# KiCad board analog_i.kicad_pcb
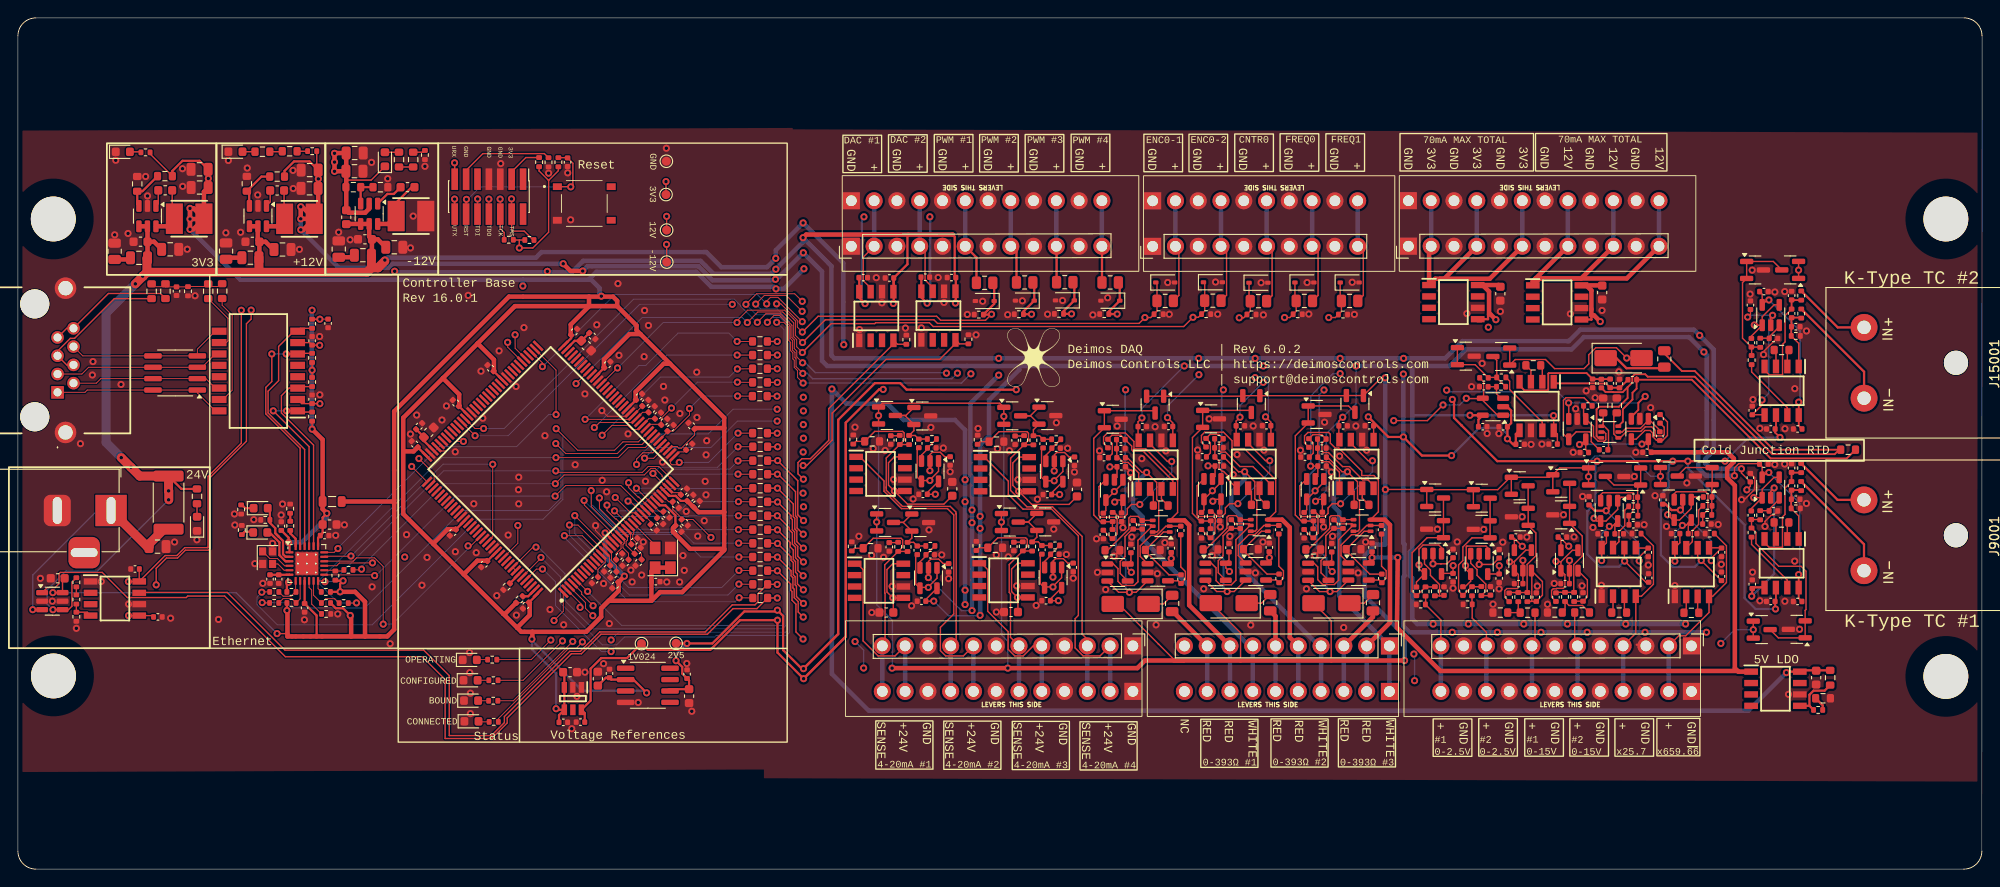
[diagram p0: board, top side]
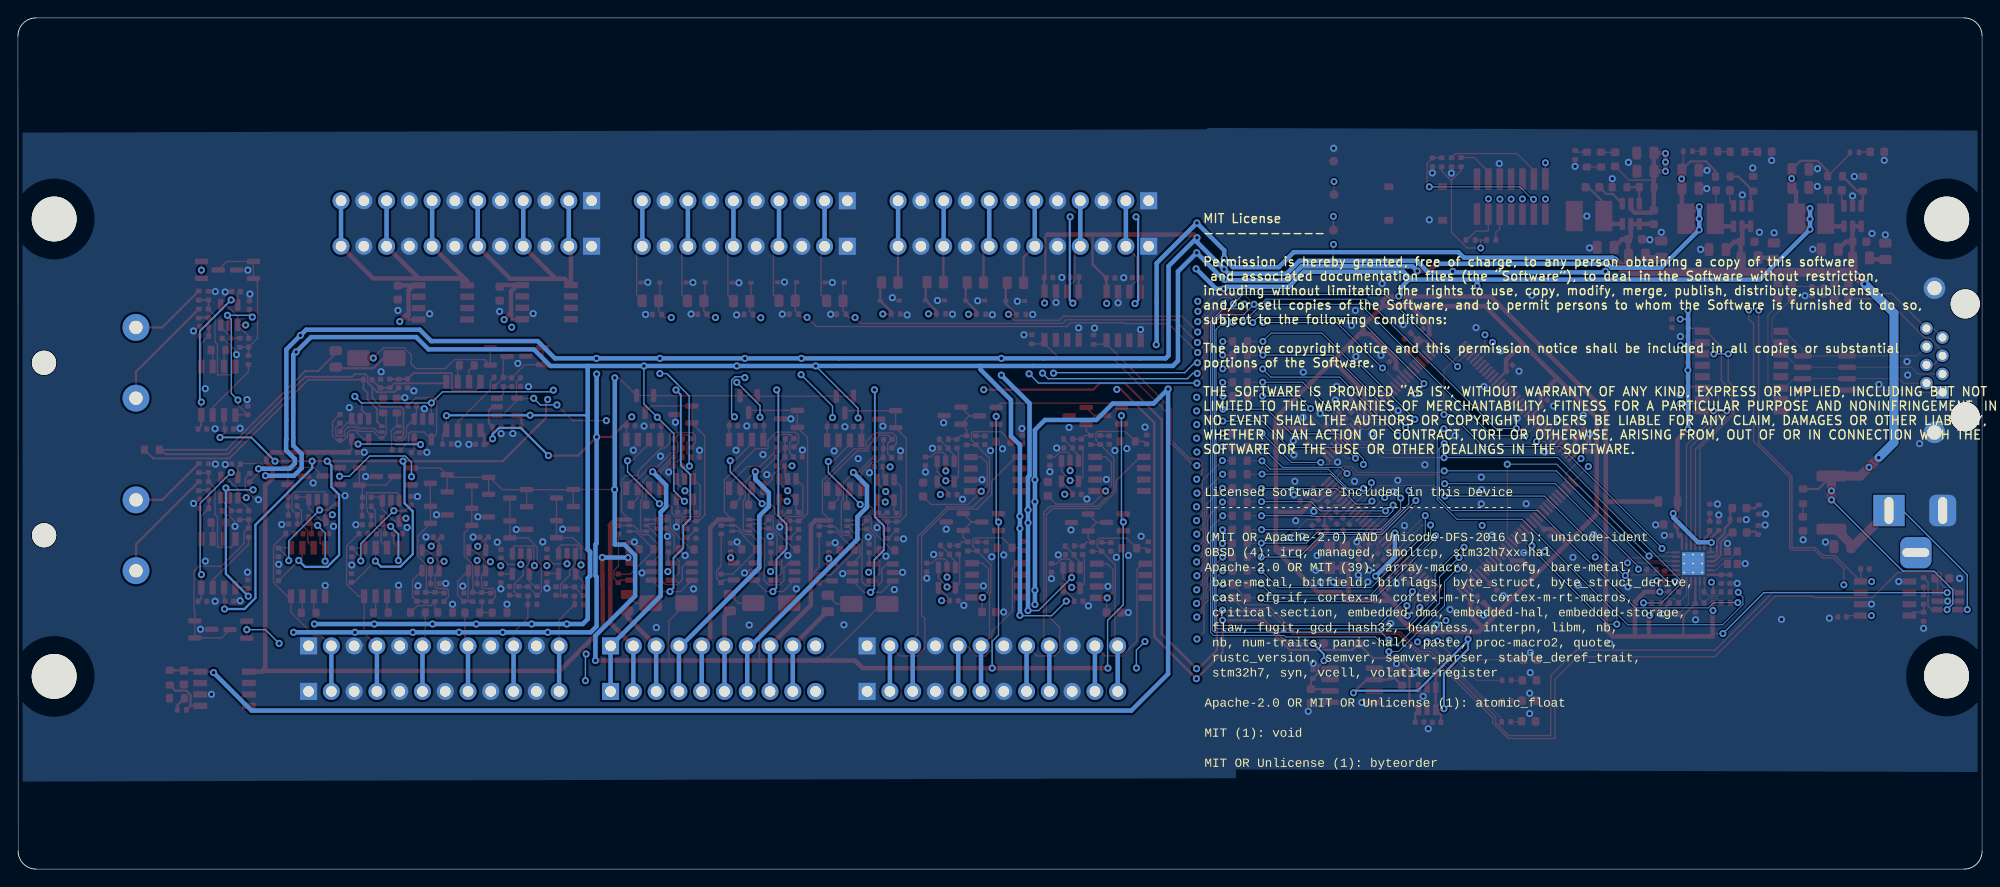
[diagram p1: board, bottom side, seen from below]

Outline 219.03 x 95 mm; copper layers: Top, In1.Cu, In2.Cu, Bottom. Coordinates in mm from the lower left corner of the outline.
Outline path: 217,95 2,95 arc(0.59,94.41) 0,93 0,2 arc(0.59,0.59) 2,0 217,0 arc(218.41,0.59) 219,2 219.03,93 ; 217.02,95 arc(218.43,94.41) 219.02,93
Stack: Top 0.035mm / dielectric 0.1mm FR4 er 4.5 / In1.Cu 0.035mm / dielectric 1.24mm FR4 er 4.5 / In2.Cu 0.035mm / dielectric 0.1mm FR4 er 4.5 / Bottom 0.035mm

## Placement (name value [footprint] x y rotation side)
-1001  logo_minimal_25p4_by_20p3_mm  [logo_minimal_12p7_by_10p9_mm]  113.26 57.09 0 top
C3001  0.1uF 50V 0603  [C_0603_1608Metric]  165.3 64.22 90 top
C3002  0.1uF 50V 0603  [C_0603_1608Metric]  176.66 64.35 90 top
C3003  0.1uF 50V 0603  [C_0603_1608Metric]  200.53 21.37 90 top
C4001  2.2uF  [C_0402_1005Metric]  175.59 54.21 90 top
C4002  1uF  [C_0402_1005Metric]  177.55 54.21 270 top
C4003  2.2uF  [C_0402_1005Metric]  178.59 54.19 90 top
C4004  0.1uF  [C_0402_1005Metric]  171.19 47.44 180 top
C4005  0.1uF  [C_0402_1005Metric]  167.51 47.41 0 top
C4006  10nF  [C_0402_1005Metric]  175.07 51.7 180 top
C4007  0.1uF  [C_0402_1005Metric]  174.67 46.5 180 top
C4008  10nF  [C_0402_1005Metric]  183.09 48.33 90 top
C4010  0.1uF  [C_0402_1005Metric]  181.65 46.52 180 top
C5001  2.2uF  [C_0402_1005Metric]  121.12 45.92 0 top
C5002  1uF  [C_0402_1005Metric]  122.99 47.94 180 top
C5003  2.2uF  [C_0402_1005Metric]  122.99 46.93 0 top
C5004  0.1uF  [C_0402_1005Metric]  125.39 49.39 0 top
C5007  0.1uF  [C_0402_1005Metric]  128.61 35.82 90 top
C5008  0.1uF  [C_0402_1005Metric]  62.73 16.4 180 top
C5009  0.1uF  [C_0402_1005Metric]  60.82 16.38 180 top
C5010  0.1uF  [C_0402_1005Metric]  124.11 35.79 90 top
C5012  10uF  [C_0603_1608Metric]  61.57 21.98 180 top
C6001  1uF 0402  [C_0402_1005Metric]  64.34 32.25 225 top
C6002  1uF 0402  [C_0402_1005Metric]  65.71 33.55 225 top
C6003  1uF 0402  [C_0402_1005Metric]  66.4 32.86 225 top
C6004  1uF 0402  [C_0402_1005Metric]  69.11 35.53 45 top
C6005  1uF 0402  [C_0402_1005Metric]  68.74 36.59 45 top
C6006  1uF 0402  [C_0402_1005Metric]  69.2 34.21 225 top
C6007  1uF 0402  [C_0402_1005Metric]  67.05 34.89 45 top
C6008  1uF 0402  [C_0402_1005Metric]  67.75 34.19 225 top
C6009  1uF 0402  [C_0402_1005Metric]  70.89 38.13 315 top
C6010  1uF 0402  [C_0402_1005Metric]  71.61 38.85 315 top
C6011  1uF 0402  [C_0402_1005Metric]  72.32 39.56 315 top
C6012  1uF 0402  [C_0402_1005Metric]  74.26 42.13 45 top
C6013  1uF 0402  [C_0402_1005Metric]  74.86 47.13 45 top
C6016  1uF 0402  [C_0402_1005Metric]  72.77 49.22 45 top
C6017  1uF 0402  [C_0402_1005Metric]  72.07 49.92 45 top
C6018  1uF 0402  [C_0402_1005Metric]  71.37 50.61 45 top
C6019  1uF 0402  [C_0402_1005Metric]  70.66 51.32 45 top
C6020  1uF 0402  [C_0402_1005Metric]  69.96 52.02 45 top
C6021  0.1uF  [C_0402_1005Metric]  66.61 31.68 45 top
C6022  0.1uF  [C_0402_1005Metric]  73.66 37.98 135 top
C6023  10nF  [C_0402_1005Metric]  73.35 40.66 135 top
C6024  0.1uF  [C_0402_1005Metric]  74.36 38.68 135 top
C6025  10nF  [C_0402_1005Metric]  74.97 41.43 225 top
C6026  0.1uF  [C_0402_1005Metric]  75.69 40.74 225 top
C6027  0.1uF  [C_0402_1005Metric]  61.29 78.89 90 top
C6028  0.1uF  [C_0402_1005Metric]  56.64 29.41 45 top
C6029  0.1uF  [C_0402_1005Metric]  75.11 49.47 315 top
C6030  0.1uF  [C_0402_1005Metric]  51.99 34.04 45 top
C6031  0.1uF  [C_0402_1005Metric]  69.26 52.71 225 top
C6032  0.1uF  [C_0402_1005Metric]  48.49 37.56 45 top
C6033  0.1uF  [C_0402_1005Metric]  65.73 56.3 225 top
C6034  0.1uF  [C_0402_1005Metric]  64.05 59.5 135 top
C6035  10uF  [C_0603_1608Metric]  63.37 58.42 135 top
C6036  0.1uF  [C_0402_1005Metric]  44.24 47.43 315 top
C6037  0.1uF  [C_0402_1005Metric]  62.03 59.95 225 top
C6038  0.1uF  [C_0402_1005Metric]  48.82 52.02 315 top
C6039  0.1uF  [C_0402_1005Metric]  52.7 55.91 315 top
C6040  10uF  [C_0603_1608Metric]  45.81 48.74 45 top
C6041  0.1uF  [C_0402_1005Metric]  44.74 49.43 225 top
C6043  0.1uF  [C_0402_1005Metric]  71.12 32.08 180 top
C6048  0.1uF  [C_0402_1005Metric]  65.97 21.83 270 top
C6049  10uF  [C_0603_1608Metric]  64.67 21.25 270 top
C6050  0.1uF  [C_0402_1005Metric]  74.62 21.76 270 top
C6051  10uF  [C_0603_1608Metric]  74.84 19.3 90 top
C7003  470pF 0402  [C_0402_1005Metric]  29.08 32.37 90 top
C7004  1uF 0402  [C_0402_1005Metric]  28.11 32.37 90 top
C7005  0.1uF  [C_0402_1005Metric]  31.97 29.16 90 top
C7006  0.1uF  [C_0402_1005Metric]  29.37 38.28 270 top
C7007  0.1uF  [C_0402_1005Metric]  34.59 60.91 90 top
C7008  0.1uF  [C_0402_1005Metric]  34.2 37.23 180 top
C7009  10uF  [C_0603_1608Metric]  34.75 38.46 180 top
C7010  0.1uF  [C_0402_1005Metric]  32.8 52.43 270 top
C7011  0.1uF  [C_0402_1005Metric]  32.8 58.96 270 top
C7012  4.7nF  [C_0402_1005Metric]  17.68 64.5 270 top
C8001  0.1uF 0603  [C_0603_1608Metric]  4.43 32.45 180 top
C8002  0.1uF  [C_0402_1005Metric]  15.61 28.14 180 top
C8003  10uF 50V 0805  [C_0805_2012Metric]  15.57 35.99 0 top
C8005  0.1uF  [C_0402_1005Metric]  13.06 33.49 0 top
C9001  2.2uF  [C_0402_1005Metric]  197.78 44.76 90 top
C9002  1uF  [C_0402_1005Metric]  197.78 42.77 270 top
C9003  2.2uF  [C_0402_1005Metric]  198.24 41.28 0 top
C9004  0.1uF  [C_0402_1005Metric]  198.46 29.87 180 top
C9005  0.1uF  [C_0402_1005Metric]  128.3 49.4 180 top
C9006  0.1uF  [C_0402_1005Metric]  195.46 29.87 0 top
C9007  10nF  [C_0402_1005Metric]  129.67 37.79 90 top
C9008  10nF  [C_0402_1005Metric]  124.37 38.43 90 top
C10001  0.1uF 50V 0603  [C_0603_1608Metric]  16.43 75.76 180 top
C10002  10uF 50V 0805  [C_0805_2012Metric]  16.98 69.17 0 top
C10003  10uF 50V 0805  [C_0805_2012Metric]  20.26 76.07 180 top
C10004  10uF 50V 0805  [C_0805_2012Metric]  13.5 68.22 180 top
C10005  0.1uF 50V 0603  [C_0603_1608Metric]  13.67 70.02 180 top
C10006  2.2uF 50V 0805  [C_0805_2012Metric]  20.25 78.1 180 top
C11001  10nF  [C_0402_1005Metric]  97.16 35.96 270 top
C11002  0.1uF 50V 0603  [C_0603_1608Metric]  26.14 70.02 180 top
C11003  10uF 50V 0805  [C_0805_2012Metric]  25.93 68.24 180 top
C11004  10uF 50V 0805  [C_0805_2012Metric]  29.51 69.15 0 top
C11005  0.1uF 50V 0603  [C_0603_1608Metric]  28.9 75.74 180 top
C11006  2.2uF 50V 0805  [C_0805_2012Metric]  32.52 75.98 180 top
C11007  10uF 50V 0805  [C_0805_2012Metric]  32.53 78.02 180 top
C13001  2.2uF  [C_0402_1005Metric]  132.06 46.01 0 top
C13002  1uF  [C_0402_1005Metric]  133.93 48.03 180 top
C13003  2.2uF  [C_0402_1005Metric]  133.93 47.02 0 top
C13004  0.1uF  [C_0402_1005Metric]  136.32 49.48 0 top
C13007  0.1uF  [C_0402_1005Metric]  139.54 35.9 90 top
C13010  0.1uF  [C_0402_1005Metric]  135.05 35.88 90 top
C14001  10nF  [C_0402_1005Metric]  97.33 47.89 270 top
C14002  0.1uF 50V 0603  [C_0603_1608Metric]  38.7 70.29 180 top
C14003  10uF 50V 0805  [C_0805_2012Metric]  38.47 68.51 180 top
C14004  10uF 50V 0805  [C_0805_2012Metric]  41.97 69.4 0 top
C14005  0.1uF 50V 0603  [C_0603_1608Metric]  36.61 72.76 270 top
C14006  0.1uF 50V 0603  [C_0603_1608Metric]  43.45 76.11 0 top
C14007  2.2uF 50V 0805  [C_0805_2012Metric]  37.55 79.92 0 top
C14008  10uF 50V 0805  [C_0805_2012Metric]  37.53 77.89 0 top
C15001  2.2uF  [C_0402_1005Metric]  197.79 64.01 90 top
C15002  1uF  [C_0402_1005Metric]  197.79 62.02 270 top
C15003  2.2uF  [C_0402_1005Metric]  198.25 60.53 0 top
C15004  0.1uF  [C_0402_1005Metric]  198.47 49.12 180 top
C15005  10nF C0G 5%  [C_0402_1005Metric]  163.46 53.84 0 top
C15006  0.1uF  [C_0402_1005Metric]  195.47 49.12 0 top
C15007  10nF C0G 5%  [C_0402_1005Metric]  163.48 54.83 180 top
C15008  0.1uF  [C_0402_1005Metric]  163.34 49.37 180 top
C15009  0.1uF  [C_0402_1005Metric]  165.61 49.36 0 top
C16001  0.1uF  [C_0402_1005Metric]  193.4 51.19 270 top
C17001  2.2uF  [C_0402_1005Metric]  143.53 45.98 0 top
C17002  1uF  [C_0402_1005Metric]  145.4 48 180 top
C17003  2.2uF  [C_0402_1005Metric]  145.4 46.99 0 top
C17004  0.1uF  [C_0402_1005Metric]  147.78 49.47 0 top
C17005  10nF C0G 5%  [C_0402_1005Metric]  195.76 39.97 180 top
C17006  10nF C0G 5%  [C_0402_1005Metric]  193.29 39.49 90 top
C17007  0.1uF  [C_0402_1005Metric]  151 35.9 90 top
C17008  0.1uF  [C_0402_1005Metric]  194.69 45.2 180 top
C17009  0.1uF  [C_0402_1005Metric]  193.2 62.94 270 top
C17010  0.1uF  [C_0402_1005Metric]  146.5 35.87 90 top
C18001  10nF  [C_0402_1005Metric]  111.06 36.01 270 top
C18002  0.1uF  [C_0402_1005Metric]  193.4 31.8 270 top
C19001  10nF C0G 5%  [C_0402_1005Metric]  195.77 59.23 180 top
C19002  10nF C0G 5%  [C_0402_1005Metric]  193.3 58.75 90 top
C19003  0.1uF  [C_0402_1005Metric]  194.7 64.45 180 top
C19004  0.1uF  [C_0402_1005Metric]  193.19 43.69 270 top
C21001  10nF C0G 5%  [C_0402_1005Metric]  121.04 37.34 90 top
C21002  10nF C0G 5%  [C_0402_1005Metric]  121.04 39.25 90 top
C21003  0.1uF  [C_0402_1005Metric]  123.07 39.27 90 top
C21004  0.1uF  [C_0402_1005Metric]  123.04 44.9 180 top
C22001  10nF  [C_0402_1005Metric]  111.2 47.86 270 top
C23001  0.1uF  [C_0402_1005Metric]  139.23 49.49 180 top
C23002  10nF  [C_0402_1005Metric]  140.6 37.88 90 top
C23003  10nF  [C_0402_1005Metric]  135.3 38.52 90 top
C24001  0.1uF  [C_0402_1005Metric]  134 39.36 90 top
C24002  10nF C0G 5%  [C_0402_1005Metric]  131.98 37.43 90 top
C24003  10nF C0G 5%  [C_0402_1005Metric]  131.97 39.33 90 top
C24004  0.1uF  [C_0402_1005Metric]  133.97 44.99 180 top
C26001  0.1uF  [C_0402_1005Metric]  150.69 49.48 180 top
C26002  10nF  [C_0402_1005Metric]  152.06 37.87 90 top
C26003  10nF  [C_0402_1005Metric]  146.76 38.51 90 top
C27001  10nF C0G 5%  [C_0402_1005Metric]  143.43 37.42 90 top
C27002  10nF C0G 5%  [C_0402_1005Metric]  143.43 39.33 90 top
C27003  0.1uF  [C_0402_1005Metric]  145.46 39.35 90 top
C27004  0.1uF  [C_0402_1005Metric]  145.43 44.98 180 top
C28001  0.1uF 50V 0603  [C_0603_1608Metric]  118.1 42.37 270 top
C29001  10nF C0G 5%  [C_0402_1005Metric]  115.77 46.98 180 top
C29002  10nF C0G 5%  [C_0402_1005Metric]  114.32 47.48 270 top
C29003  0.1uF  [C_0402_1005Metric]  114.79 41.8 0 top
C29004  0.1uF  [C_0402_1005Metric]  117.82 45.52 90 top
C30001  0.1uF 50V 0603  [C_0603_1608Metric]  110.74 28.69 0 top
C31001  10nF C0G 5%  [C_0402_1005Metric]  115.63 35.13 180 top
C31002  10nF C0G 5%  [C_0402_1005Metric]  114.18 35.63 270 top
C31003  0.1uF  [C_0402_1005Metric]  114.65 29.95 0 top
C31004  0.1uF  [C_0402_1005Metric]  117.68 33.67 90 top
C32001  0.1uF 50V 0603  [C_0603_1608Metric]  104.19 42.44 270 top
C33001  10nF C0G 5%  [C_0402_1005Metric]  101.91 47.01 180 top
C33002  10nF C0G 5%  [C_0402_1005Metric]  100.46 47.51 270 top
C33003  0.1uF  [C_0402_1005Metric]  100.93 41.83 0 top
C33004  0.1uF  [C_0402_1005Metric]  103.95 45.55 90 top
C34001  0.1uF 50V 0603  [C_0603_1608Metric]  96.84 28.64 0 top
C35001  10nF C0G 5%  [C_0402_1005Metric]  101.74 35.08 180 top
C35002  10nF C0G 5%  [C_0402_1005Metric]  100.29 35.58 270 top
C35003  0.1uF  [C_0402_1005Metric]  100.76 29.9 0 top
C35004  0.1uF  [C_0402_1005Metric]  103.78 33.62 90 top
C36001  0.1uF  [C_0402_1005Metric]  184.85 37.44 0 top
C36002  0.1uF  [C_0402_1005Metric]  189.97 35.35 90 top
C36003  0.1uF  [C_0402_1005Metric]  189.96 32.67 270 top
C37001  10nF C0G 5%  [C_0402_1005Metric]  188.35 38.51 180 top
C37002  10nF C0G 5%  [C_0402_1005Metric]  188.42 41.53 180 top
C37003  0.1uF  [C_0402_1005Metric]  186.75 37.44 180 top
C37004  0.1uF  [C_0402_1005Metric]  183.43 41.21 270 top
C38001  0.1uF  [C_0402_1005Metric]  176.66 37.42 0 top
C38002  0.1uF  [C_0402_1005Metric]  181.8 35.35 90 top
C38003  0.1uF  [C_0402_1005Metric]  181.84 32.5 270 top
C39001  10nF C0G 5%  [C_0402_1005Metric]  180.13 38.43 180 top
C39002  10nF C0G 5%  [C_0402_1005Metric]  180.13 41.51 180 top
C39003  0.1uF  [C_0402_1005Metric]  178.56 37.42 180 top
C39004  0.1uF  [C_0402_1005Metric]  175.2 41.12 270 top
C41001  10nF C0G 5%  [C_0402_1005Metric]  174.53 30.38 270 top
C41002  10nF C0G 5%  [C_0402_1005Metric]  171.5 30.35 270 top
C41003  0.1uF  [C_0402_1005Metric]  172.23 37.06 180 top
C41004  0.1uF  [C_0402_1005Metric]  172.53 31.86 0 top
C43001  10nF C0G 5%  [C_0402_1005Metric]  169.31 30.36 270 top
C43002  10nF C0G 5%  [C_0402_1005Metric]  166.29 30.33 270 top
C43003  0.1uF  [C_0402_1005Metric]  167.03 37.06 180 top
C43004  0.1uF  [C_0402_1005Metric]  167.34 31.86 0 top
C45001  10nF C0G 5%  [C_0402_1005Metric]  164.21 31.06 270 top
C45002  10nF C0G 5%  [C_0402_1005Metric]  161.13 31.03 90 top
C45003  0.1uF  [C_0402_1005Metric]  165.18 32.46 90 top
C45004  0.1uF  [C_0402_1005Metric]  165.17 35.2 270 top
C47001  10nF C0G 5%  [C_0402_1005Metric]  159.02 31.03 270 top
C47002  10nF C0G 5%  [C_0402_1005Metric]  155.95 31 90 top
C47003  0.1uF  [C_0402_1005Metric]  160.03 32.52 90 top
C47004  0.1uF  [C_0402_1005Metric]  160.03 35.23 270 top
C53001  0.1uF  [C_0402_1005Metric]  94.26 66.02 180 top
C53002  0.1uF  [C_0402_1005Metric]  97.18 65.98 0 top
C54001  0.1uF  [C_0402_1005Metric]  101.18 66.06 180 top
C54002  0.1uF  [C_0402_1005Metric]  104.1 66.02 0 top
D4001  D_Schottky  [D_SMA]  179.05 57.03 0 top
D5001  D_Schottky  [D_SMA]  124.08 29.6 180 top
D6001  Purple LED  [LED_0603_1608Metric]  50.57 16.49 0 top
D6002  Purple LED  [LED_0603_1608Metric]  50.53 18.8 0 top
D6003  Purple LED  [LED_0603_1608Metric]  50.47 21.07 0 top
D6004  Purple LED  [LED_0603_1608Metric]  50.38 23.35 0 top
D7001  Purple LED  [LED_0603_1608Metric]  27.06 40.28 0 top
D7002  Purple LED  [LED_0603_1608Metric]  27.02 37.57 0 top
D7003  CDNBS08-SLVU2.8-4  [SOIC-8_3.9x4.9mm_P1.27mm]  17.53 55.37 180 top
D12001  Purple LED  [LED_0603_1608Metric]  19.98 38.53 90 top
D12002  Purple LED  [LED_0603_1608Metric]  40.92 79.22 90 top
D12003  Purple LED  [LED_0603_1608Metric]  24.25 80.07 0 top
D12004  Purple LED  [LED_0603_1608Metric]  11.7 80.05 0 top
D13001  D_Schottky  [D_SMA]  135.02 29.68 180 top
D17001  D_Schottky  [D_SMA]  146.48 29.68 180 top
D48001  BZT52C5V6S  [D_SOD-323]  127.93 65.47 0 top
D49001  BZT52C5V6S  [D_SOD-323]  133.25 65.5 0 top
D50001  BZT52C5V6S  [D_SOD-323]  138.33 65.44 0 top
D51001  BZT52C5V6S  [D_SOD-323]  143.45 65.47 0 top
D52001  BZT52C5V6S  [D_SOD-323]  148.5 65.47 0 top
D55001  BZT52C5V6S  [D_SOD-323]  107.82 63.4 180 top
D56001  BZT52C5V6S  [D_SOD-323]  112.28 63.45 180 top
D57001  BZT52C5V6S  [D_SOD-323]  116.75 63.47 180 top
D58001  BZT52C5V6S  [D_SOD-323]  121.82 63.44 180 top
FB7001  GZ2012D601TF  [L_0805_2012Metric]  35.04 41.02 180 top
H2001  MountingHole_for_10-32  [MountingHole_5mm]  3.94 72.56 180 top
H2002  MountingHole_for_10-32  [MountingHole_5mm]  3.97 21.56 180 top
H3001  MountingHole_for_10-32  [MountingHole_5mm]  214.99 21.5 180 top
H3002  MountingHole_for_10-32  [MountingHole_5mm]  214.99 72.56 180 top
IC3001  BD42540FJ-CE2  [SOIC127P600X175-8N]  160.07 63.28 0 top
IC3002  BD42540FJ-CE2  [SOIC127P600X175-8N]  195.99 20.13 0 top
IC3003  BD42540FJ-CE2  [SOIC127P600X175-8N]  171.64 63.24 0 top
IC4001  INA826AIDR  [SOIC127P600X175-8N]  169.35 51.68 270 top
IC4002  TLV333IDBVR  [SOT-23-5]  173.88 49.1 270 top
IC4003  TLV333IDBVR  [SOT-23-5]  180.86 49.12 270 top
IC5001  INA826AIDR  [SOIC127P600X175-8N]  126.88 45.14 90 top
IC5002  TLV333IDBVR  [SOT-23-5]  127.11 33.13 0 top
IC5003  TLV333IDBVR  [SOT-23-5]  122.62 33.1 0 top
IC5004  REF35102QDBVR  [SOT95P280X145-6N]  61.88 19.03 270 top
IC6001  STM32H743ZIT6  [QFP50P2200X2200X160-144N]  59.41 44.62 135 top
IC8001  INA826AIDR  [SOIC127P600X175-8N]  10.81 30.2 0 top
IC9001  INA826AIDR  [SOIC127P600X175-8N]  196.67 34.13 270 top
IC10001  TPS560430XDBVR  [SOT-23-6]  14.44 72.88 270 top
IC11001  TPS560430XDBVR  [SOT-23-6]  26.76 72.89 270 top
IC13001  INA826AIDR  [SOIC127P600X175-8N]  137.82 45.22 90 top
IC13002  TLV333IDBVR  [SOT-23-5]  138.04 33.21 0 top
IC13003  TLV333IDBVR  [SOT-23-5]  133.55 33.19 0 top
IC14001  TPS560430XDBVR  [SOT-23-6]  39.17 73.14 270 top
IC15001  INA826AIDR  [SOIC127P600X175-8N]  196.68 53.38 270 top
IC17001  INA826AIDR  [SOIC127P600X175-8N]  149.27 45.22 90 top
IC17002  TLV333IDBVR  [SOT-23-5]  149.5 33.21 0 top
IC17003  TLV333IDBVR  [SOT-23-5]  145.01 33.18 0 top
IC17004  BD42540FJ-CE2  [SOIC127P600X175-8N]  96.02 32.18 0 top
IC20001  BD42540FJ-CE2  [SOIC127P600X175-8N]  96.19 44.1 0 top
IC24001  BD42540FJ-CE2  [SOIC127P600X175-8N]  109.91 32.23 0 top
IC28001  BD42540FJ-CE2  [SOIC127P600X175-8N]  110.05 44.08 0 top
IC36001  INA826AIDR  [SOIC127P600X175-8N]  186.67 33.15 90 top
IC38001  INA826AIDR  [SOIC127P600X175-8N]  178.51 33.17 90 top
IC53001  INA826AIDR  [SOIC127P600X175-8N]  95.72 61.73 90 top
IC54001  INA826AIDR  [SOIC127P600X175-8N]  102.64 61.78 90 top
J3001  Screw_Terminal_01x12  [KF141V-2.54-12P]  155.06 69.52 90 top
J3002  Screw_Terminal_01x10  [KF141V-2.54-10P]  152.94 24.91 270 top
J3003  Screw_Terminal_01x12  [KF141V-2.54-12P]  124.33 24.91 270 top
J3004  Screw_Terminal_01x12  [KF141V-2.54-12P]  186.62 24.91 270 top
J3005  Screw_Terminal_01x10  [KF141V-2.54-10P]  126.54 69.51 90 top
J3006  Screw_Terminal_01x12  [KF141V-2.54-12P]  92.94 69.52 90 top
J6001  Conn_02x07_Odd_Even  [PinHeader_2x07_P1.27mm_Vertical_SMD]  52.52 75.05 270 top
J8001  Barrel_Jack PJ-202BH  [BarrelJack_Horizontal]  10.39 40.02 0 top
J9001  -  [AM-K-PCB]  220.11 37.26 270 top
J13001  RCH_RC01133  [RCHRC01133]  4.42 53.21 90 top
J15001  -  [AM-K-PCB]  220.12 56.51 270 top
L10001  12uH FNR4030S120MT  [INDPM4040X300N]  19.09 72.59 180 top
L11001  33uH  FNR4020S330MT  [INDPM4040X300N]  31.39 72.58 180 top
L14001  33uH  FNR4020S330MT  [INDPM4040X300N]  43.83 72.88 0 top
Q15001  MMBFJ113  [SOT-23]  165.41 57.21 180 top
Q15002  MMBFJ113  [SOT-23]  161.45 57.25 0 top
Q17001  MMBFJ113  [SOT-23]  194.45 26.73 0 top
Q17002  MMBFJ113  [SOT-23]  198.36 26.76 180 top
Q19001  MMBFJ113  [SOT-23]  197.63 66.88 180 top
Q19002  MMBFJ113  [SOT-23]  193.71 66.87 0 top
Q21001  MMBFJ113  [SOT-23]  126.81 51.84 270 top
Q21002  MMBFJ113  [SOT-23]  122.09 50.21 0 top
Q24001  MMBFJ113  [SOT-23]  137.54 51.9 270 top
Q24002  MMBFJ113  [SOT-23]  133.05 50.25 0 top
Q27001  MMBFJ113  [SOT-23]  149.09 51.92 270 top
Q27002  MMBFJ113  [SOT-23]  144.82 50.74 0 top
Q29001  MMBFJ113  [SOT-23]  110.88 50.59 0 top
Q29002  MMBFJ113  [SOT-23]  114.8 50.61 0 top
Q31001  MMBFJ113  [SOT-23]  110.61 38.73 0 top
Q31002  MMBFJ113  [SOT-23]  114.56 38.75 0 top
Q33001  MMBFJ113  [SOT-23]  96.91 50.63 0 top
Q33002  MMBFJ113  [SOT-23]  100.85 50.57 0 top
Q35001  MMBFJ113  [SOT-23]  96.7 38.69 0 top
Q35002  MMBFJ113  [SOT-23]  100.62 38.68 0 top
Q37001  MMBFJ113  [SOT-23]  184.1 43.87 0 top
Q37002  MMBFJ113  [SOT-23]  187.99 43.87 180 top
Q39001  MMBFJ113  [SOT-23]  176.08 43.83 0 top
Q39002  MMBFJ113  [SOT-23]  180.01 43.82 180 top
Q41001  MMBFJ113  [SOT-23]  172.1 43.06 0 top
Q41002  MMBFJ113  [SOT-23]  172.09 39.54 180 top
Q43001  MMBFJ113  [SOT-23]  167.47 42.78 0 top
Q43002  MMBFJ113  [SOT-23]  167.48 39.32 180 top
Q45001  MMBFJ113  [SOT-23]  163.24 41.4 0 top
Q45002  MMBFJ113  [SOT-23]  163.23 37.92 180 top
Q47001  MMBFJ113  [SOT-23]  158.04 41.42 0 top
Q47002  MMBFJ113  [SOT-23]  158.03 37.94 180 top
R3001  PTS060301B100RP100  [R_0603_1608Metric]  204.09 46.81 180 top
R3002  243k 0603  [R_0603_1608Metric]  202.09 21.36 90 top
R3003  10k 1%  [R_0402_1005Metric]  200.75 17.76 0 top
R3004  51k 0603  [R_0603_1608Metric]  201.29 19.06 180 top
R4001  10k 1%  [C_0402_1005Metric]  176.82 46.8 180 top
R4002  RNCF0603TKY2K00 2k 0.01% 5ppm/C  [R_0603_1608Metric]  168.98 56.22 180 top
R4003  300  [R_0805_2012Metric]  183.59 56.94 90 top
R4004  10  [C_0402_1005Metric]  176.57 54.19 270 top
R4005  10  [C_0402_1005Metric]  180.02 54.62 0 top
R4006  RNCF0603TKW10K0 10k 0.01% 5ppm/C  [R_0603_1608Metric]  176.77 51.75 90 top
R4007  10k 1%  [C_0402_1005Metric]  183.12 50.25 270 top
R4009  RNCF0603TKW10K0 10k 0.01% 5ppm/C  [R_0603_1608Metric]  178.29 51.75 90 top
R5002  RNCF0603TKY2K00 2k 0.01% 5ppm/C  [R_0603_1608Metric]  127.44 40.57 0 top
R5003  300  [R_0805_2012Metric]  128.71 29.65 270 top
R5004  10  [C_0402_1005Metric]  121.55 47.5 270 top
R5005  10  [C_0402_1005Metric]  123.02 45.91 0 top
R5006  RNCF0603TKW10K0 10k 0.01% 5ppm/C  [R_0603_1608Metric]  126.55 35.62 0 top
R5009  RNCF0603TKW10K0 10k 0.01% 5ppm/C  [R_0603_1608Metric]  122.05 35.59 0 top
R6001  10R 0603  [R_0603_1608Metric]  82.77 30.26 180 top
R6002  10R 0603  [R_0603_1608Metric]  82.77 31.78 180 top
R6003  10R 0603  [R_0603_1608Metric]  82.77 33.31 180 top
R6004  10R 0603  [R_0603_1608Metric]  82.77 37.88 180 top
R6005  10R 0603  [R_0603_1608Metric]  82.77 39.43 180 top
R6006  10R 0603  [R_0603_1608Metric]  82.77 40.98 180 top
R6007  10R 0603  [R_0603_1608Metric]  82.76 34.83 180 top
R6008  10R 0603  [R_0603_1608Metric]  82.77 36.36 180 top
R6009  10R 0603  [R_0603_1608Metric]  82.77 42.51 180 top
R6010  10R 0603  [R_0603_1608Metric]  82.77 44.07 180 top
R6011  10R 0603  [R_0603_1608Metric]  82.77 45.58 180 top
R6012  10R 0603  [R_0603_1608Metric]  82.77 47.13 180 top
R6013  10R 0603  [R_0603_1608Metric]  82.75 48.66 180 top
R6016  10R 0603  [R_0603_1608Metric]  82.73 52.79 180 top
R6017  10R 0603  [R_0603_1608Metric]  82.75 54.32 180 top
R6018  10R 0603  [R_0603_1608Metric]  82.74 55.85 180 top
R6019  10R 0603  [R_0603_1608Metric]  82.75 57.37 180 top
R6020  10R 0603  [R_0603_1608Metric]  82.74 58.89 180 top
R6021  10k  [R_0402_1005Metric]  55.92 30.09 45 top
R6022  10k  [R_0402_1005Metric]  54.49 31.53 225 top
R6023  10k  [R_0402_1005Metric]  53.06 16.43 0 top
R6024  100R 0402  [R_0402_1005Metric]  59.17 78.88 90 top
R6025  10k  [R_0402_1005Metric]  53.01 18.79 0 top
R6026  10k  [R_0402_1005Metric]  53.03 21.07 0 top